# Altium PCB Minion.PcbDoc (part 10 of 10)
Units mm, origin at the board's own origin, x right, y up, seen from the top; angles counter-clockwise.
Board outline 250 x 250 mm, 4 copper layers (Top Layer, Mid-Top Layer, Mid-Bottom Layer, Bottom Layer); 557 components, 153 nets, 5229 pads, 7984 vias.
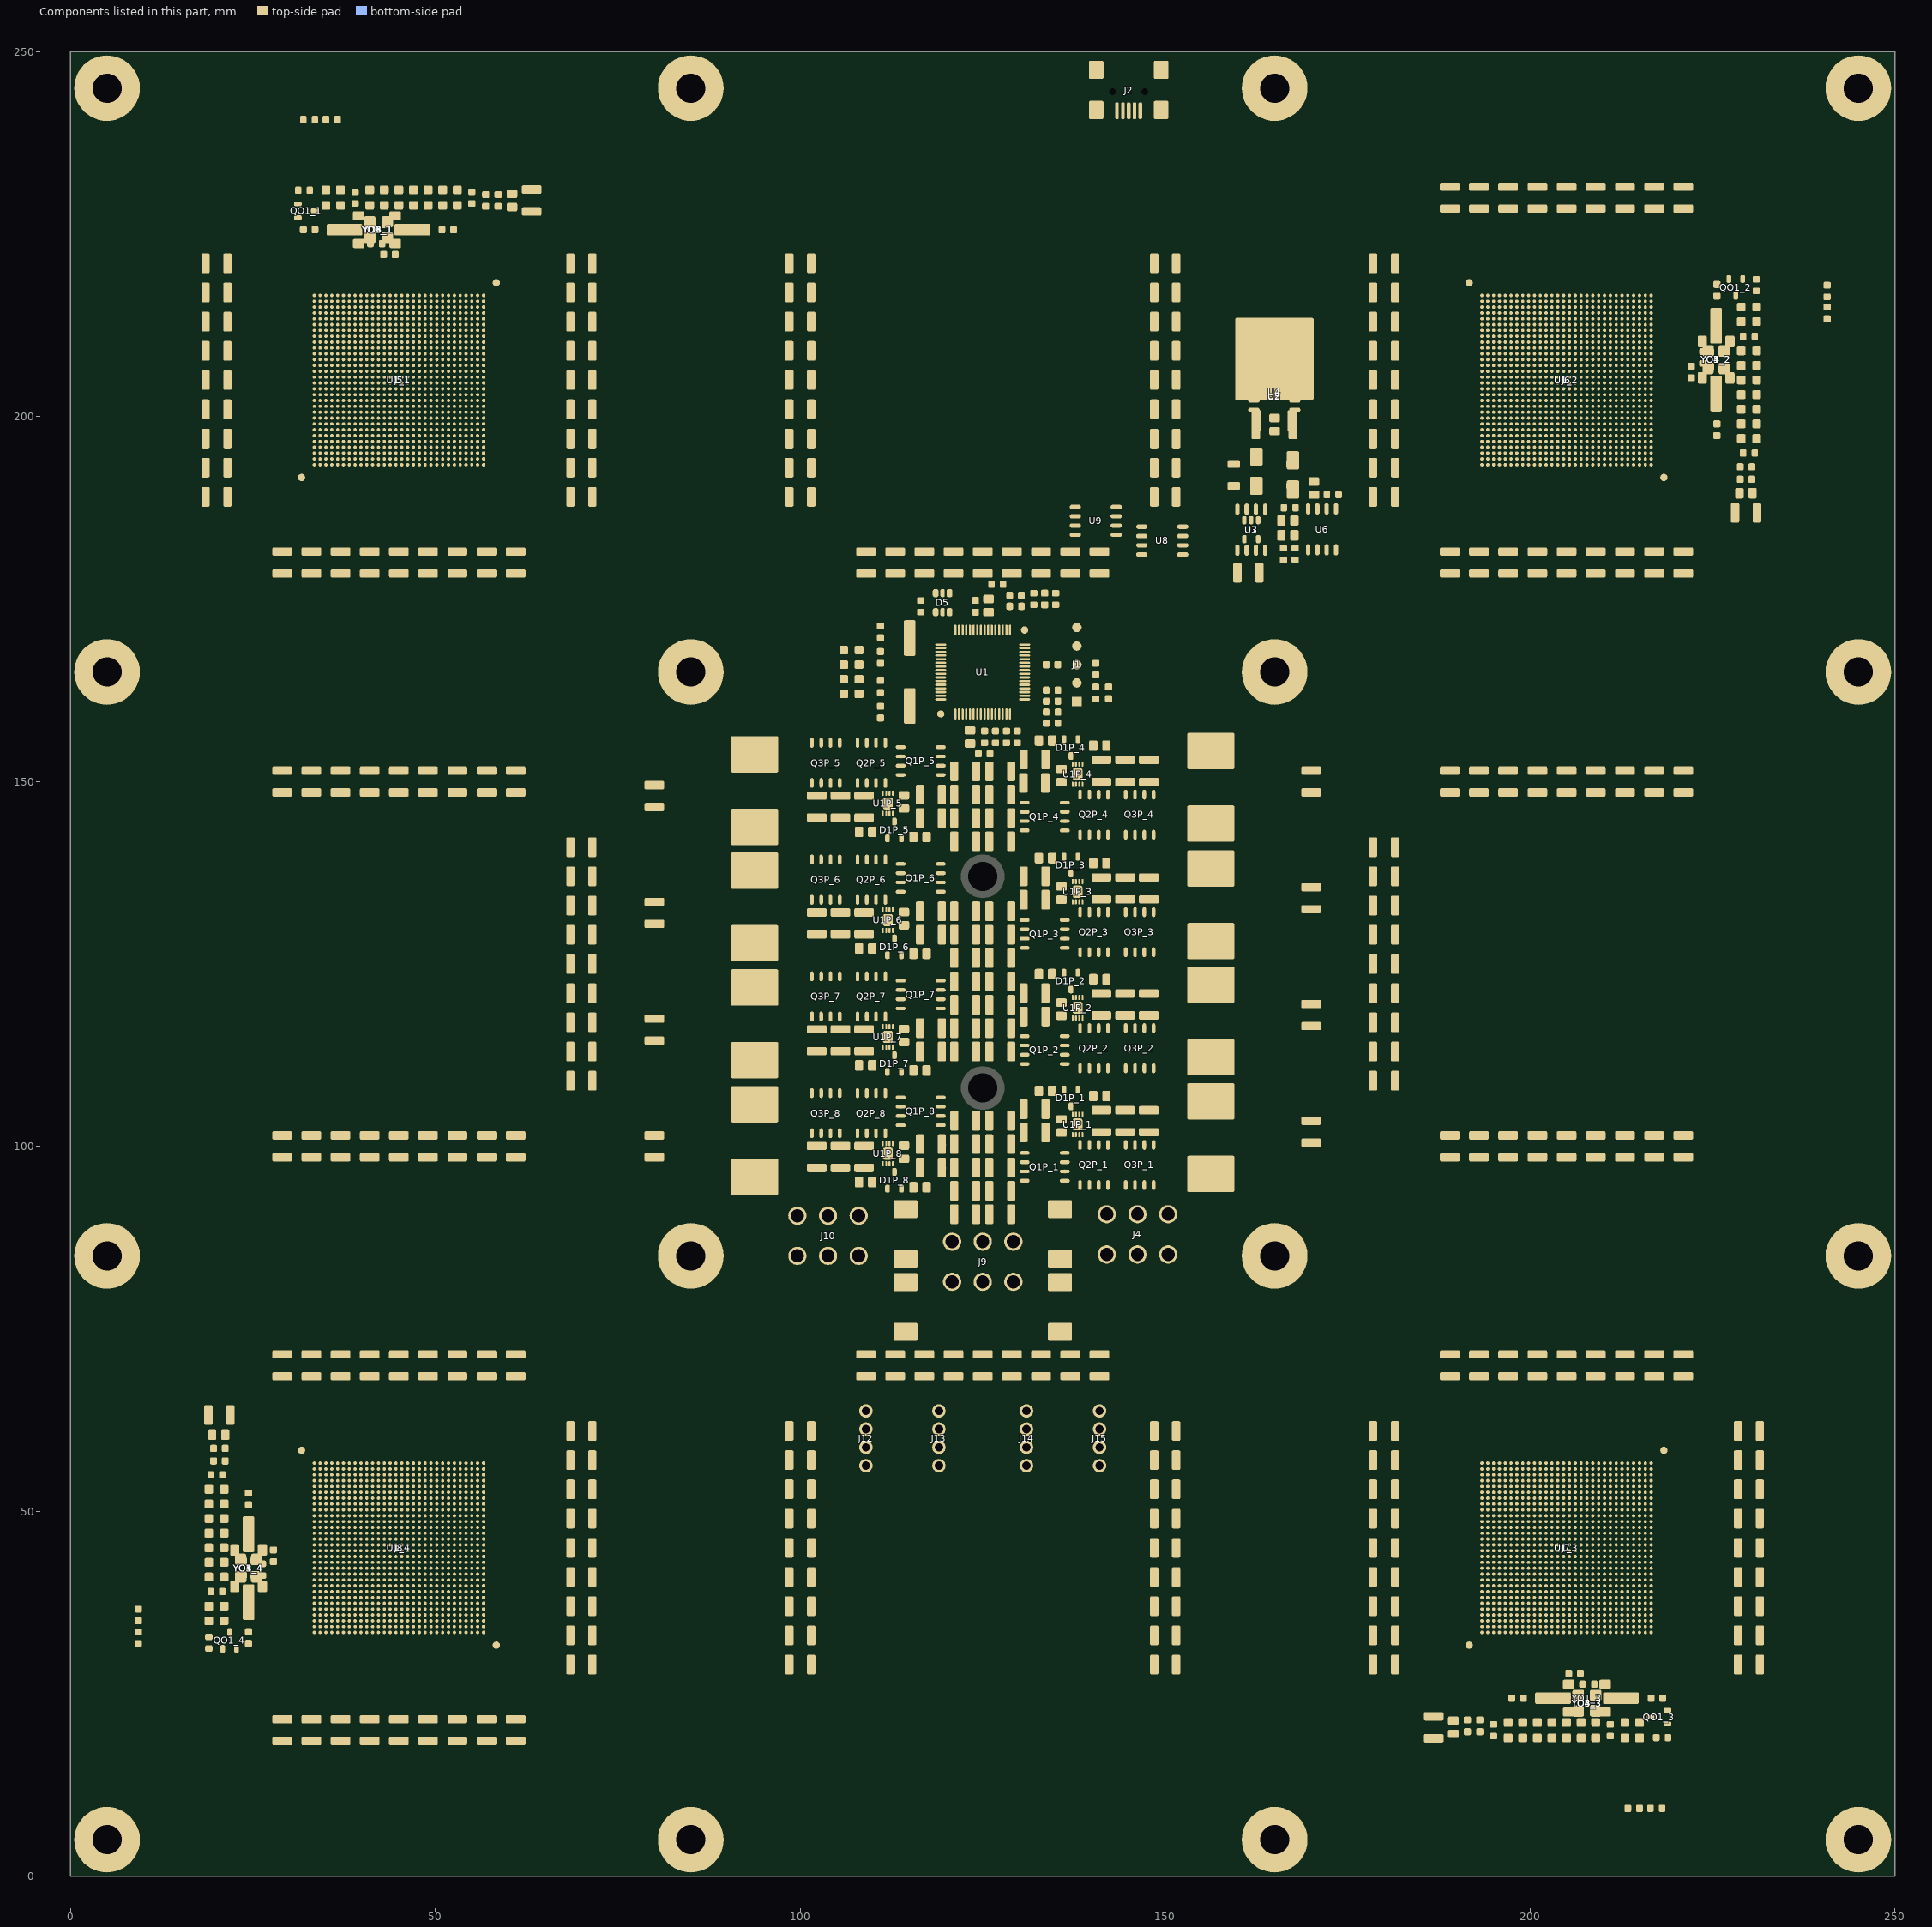
[diagram p12: the components of this part, seen from the top]

## Polygon pours and split planes (outlines as drawn) (continued)
SWN4 on Top Layer "SWN4 Top" (solid, remove dead copper, pour order 739): 159.5,141.7 159.5,146.7 135,146.7 135.008,146.693 135.008,141.7
0.8V on Top Layer "PS1 0.8V" (solid, remove dead copper, pour order 749): 159.95,151.15 159.95,156.65 145.95,156.65 143.45,154.15 139.7,154.15 139.7,151.4 139.95,151.15
GND on Top Layer "Top TVS_GND" (solid, remove dead copper, pour order 663): 107,70.5 107,76.5 143,76.5 143,70.5
12V on Top Layer "12VPS Top" (solid, remove dead copper, pour order 752): 115.3,108.35 115.3,95.4 120.3,95.4 120.3,100.7 120.3,101.85 120.3,108.35
12V on Top Layer "12VPS Top" (solid, remove dead copper, pour order 753): 134.732,93.653 134.732,106.603 129.732,106.603 129.732,101.303 129.732,100.153 129.732,93.653
12V on Top Layer "12VPS Top" (solid, remove dead copper, pour order 754): 115.268,124.347 115.268,111.397 120.268,111.397 120.268,116.697 120.268,117.847 120.268,124.347
no net on Top Layer "12VPS Top" (solid, remove dead copper, shelved, pour order 755): 115.3,140.35 115.3,127.4 120.3,127.4 120.3,132.7 120.3,133.85 120.3,140.35
no net on Top Layer "12VPS Top" (solid, remove dead copper, shelved, pour order 756): 115.268,156.347 115.268,143.397 120.268,143.397 120.268,148.697 120.268,149.847 120.268,156.347
12V on Top Layer "12VPS Top" (solid, remove dead copper, pour order 757): 134.7,141.65 134.7,154.6 129.7,154.6 129.7,149.3 129.7,148.15 129.7,141.65
no net on Top Layer "12VPS Top" (solid, remove dead copper, shelved, pour order 758): 134.7,109.65 134.7,122.6 129.7,122.6 129.7,117.3 129.7,116.15 129.7,109.65
no net on Top Layer "12VPS Top" (solid, remove dead copper, shelved, pour order 759): 134.7,125.55 134.7,138.5 129.7,138.5 129.7,133.2 129.7,132.05 129.7,125.55
12V on Top Layer "Top 12V" (solid, pour order 768): 115.1,156.5 122,156.5 122,154.5 123.5,153 127,153 129,153 134.5,153 134.5,93.5 151.75,93.5 151.75,81 99.5,81 99.5,89 109,89 110.5,93.5 115,93.5
0.8V on Top Layer "Top Layer-0.8V" (solid, remove dead copper, pour order 772): 0,0 0,250 250,250 250,0
GND on Top Layer "Top Layer-GND" (solid, pour order 778): 0,0 0,250 250,250 250,0
12V on Mid-Bottom Layer "12F1" (solid, remove dead copper, pour order 721): 115.3,140.329 115.317,140.35 119.8,140.35 119.8,133.2 115.3,133.2
SWN6 on Mid-Bottom Layer "SWN1 MidBottom" (solid, remove dead copper, pour order 713): 90.022,139.8 90.022,134.725 112.8,134.725 112.793,134.732 112.793,139.8
12V on Mid-Bottom Layer "12F1" (solid, remove dead copper, pour order 725): 115.3,156.18 115.318,156.2 120.226,156.2 120.226,149.2 115.3,149.2
SWN5 on Mid-Bottom Layer "SWN1 MidBottom" (solid, remove dead copper, pour order 717): 90.022,155.8 90.022,150.725 112.2,150.725 112.193,150.732 112.193,155.8
12V on Mid-Bottom Layer "12F1" (solid, remove dead copper, pour order 722): 115.4,108.329 115.416,108.35 119.8,108.35 119.8,101.2 115.4,101.2
SWN8 on Mid-Bottom Layer "SWN1 MidBottom" (solid, remove dead copper, pour order 714): 90.022,107.8 90.022,102.725 113.544,102.725 113.537,102.732 113.537,107.8
12V on Mid-Bottom Layer "12F1" (solid, remove dead copper, pour order 726): 115.3,124.18 115.318,124.2 120.226,124.2 120.226,117.2 115.3,117.2
SWN7 on Mid-Bottom Layer "SWN1 MidBottom" (solid, remove dead copper, pour order 718): 90.022,123.8 90.022,118.725 112.8,118.725 112.793,118.732 112.793,123.8
12V on Mid-Bottom Layer "12F1" (solid, remove dead copper, pour order 720): 134.9,125.82 134.881,125.8 129.773,125.8 129.773,132.7 134.9,132.7
12V on Mid-Bottom Layer "12F1" (solid, remove dead copper, pour order 724): 134.7,109.671 134.683,109.65 130.2,109.65 130.2,116.8 134.7,116.8
SWN3 on Mid-Bottom Layer "SWN1 MidBottom" (solid, remove dead copper, pour order 712): 159.978,126.2 159.978,131.175 136.456,131.175 136.463,131.168 136.463,126.2
SWN2 on Mid-Bottom Layer "SWN1 MidBottom" (solid, remove dead copper, pour order 716): 159.978,110.2 159.978,115.275 136.456,115.275 136.463,115.268 136.463,110.2
12V on Mid-Bottom Layer "12F1" (solid, remove dead copper, pour order 727): 134.7,93.82 134.682,93.8 129.773,93.8 129.773,100.8 134.7,100.8
SWN1 on Mid-Bottom Layer "SWN1 MidBottom" (solid, remove dead copper, pour order 719): 159.978,94.2 159.978,99.275 136.456,99.275 136.463,99.268 136.463,94.2
12V on Mid-Bottom Layer "12F1" (solid, remove dead copper, pour order 723): 134.6,141.671 134.584,141.65 130.2,141.65 130.2,148.8 134.6,148.8
SWN4 on Mid-Bottom Layer "SWN1 MidBottom" (solid, remove dead copper, pour order 715): 159.978,142.2 159.978,147.275 137.201,147.275 137.207,147.268 137.207,142.2
0.8V on Mid-Bottom Layer "MidBottom Layer-0.8" (solid, pour order 770): 0,0 0,250 250,250 250,0
GND on Mid-Bottom Layer "Top PS_GND" (solid, remove dead copper, pour order 760): 149.8,147.8 149.8,149.4 139,149.4 139,147.8
GND on Mid-Bottom Layer "Top PS_GND" (solid, remove dead copper, pour order 761): 149.8,131.7 149.8,133.3 139,133.3 139,131.7
GND on Mid-Bottom Layer "Top PS_GND" (solid, remove dead copper, pour order 762): 149.8,115.8 149.8,117.4 139,117.4 139,115.8
GND on Mid-Bottom Layer "Top PS_GND" (solid, remove dead copper, pour order 763): 149.8,99.8 149.8,101.4 139,101.4 139,99.8
GND on Mid-Bottom Layer "Top PS_GND" (solid, remove dead copper, pour order 764): 110.975,100.9 110.975,102.5 100.175,102.5 100.175,100.9
GND on Mid-Bottom Layer "Top PS_GND" (solid, remove dead copper, pour order 765): 110.975,116.9 110.975,118.5 100.175,118.5 100.175,116.9
GND on Mid-Bottom Layer "Top PS_GND" (solid, remove dead copper, pour order 766): 111.125,132.925 111.125,134.525 100.325,134.525 100.325,132.925
GND on Mid-Bottom Layer "Top PS_GND" (solid, remove dead copper, pour order 767): 110.975,148.9 110.975,150.5 100.175,150.5 100.175,148.9

## Keep-outs
Keep-Out Layer:
  the board outline again, w0.254

## Other copper
Top Layer:
  region net HO8: 112.6,100.075 112.8,100.075 113.25,100.525 113.25,100.65 113.675,101.075 113.675,101.95 114.4,102.675 114.4,102.875 113.075,102.875 112.775,102.575 112.775,100.925 112.6,100.75
  region net GND: 111.45,114.25 110.5,114.25 110.45,117.95 111.025,117.95 111.175,117.725 111.175,116.925 111.45,116.65
  region net SWN7: 112.125,116.45 112.35,116.45 112.35,116.825 112.55,117.025 112.55,117.925 112.125,117.925
  region net LO7: 111.875,116.45 111.675,116.45 111.675,116.825 111.475,117.025 111.45,117.925 111.875,117.925
  region net HO7: 112.6,116.1 112.8,116.1 113.25,116.55 113.25,116.675 113.675,117.1 113.675,117.975 114.4,118.7 114.4,118.9 113.075,118.9 112.775,118.6 112.775,116.95 112.6,116.775
  region net BOOT7: 112.6,113.9 112.8,113.9 113.1,113.6 113.1,112.3 112.6,112.3
  region net BOOT8: 112.6,97.9 112.8,97.9 113.1,97.6 113.1,96.3 112.6,96.3
  region net HO8: 112.6,100.1 112.8,100.1 113.1,100.4 113.1,101.7 112.8,101.7 112.8,100.9 112.6,100.7
  region net LO8: 111.875,100.45 111.675,100.45 111.675,100.825 111.475,101.025 111.45,101.925 111.875,101.925
  region net SWN8: 112.125,100.45 112.325,100.45 112.325,100.825 112.55,101.05 112.55,101.925 112.125,101.925
  region net GND: 111.45,98.25 110.5,98.25 110.45,101.95 111.025,101.95 111.175,101.725 111.175,100.925 111.45,100.65
  region net HO6: 112.6,132.075 112.8,132.075 113.25,132.525 113.25,132.65 113.675,133.075 113.675,133.95 114.4,134.675 114.4,134.875 113.075,134.875 112.775,134.575 112.775,132.925 112.6,132.75
  region net GND: 111.45,146.25 110.5,146.25 110.45,149.95 111.025,149.95 111.175,149.725 111.175,148.925 111.45,148.65
  region net SWN5: 112.125,148.45 112.35,148.45 112.35,148.825 112.55,149.025 112.55,149.925 112.125,149.925
  region net LO5: 111.875,148.45 111.675,148.45 111.675,148.825 111.475,149.025 111.45,149.925 111.875,149.925
  region net HO5: 112.6,148.1 112.8,148.1 113.25,148.55 113.25,148.675 113.675,149.1 113.675,149.975 114.4,150.7 114.4,150.9 113.075,150.9 112.775,150.6 112.775,148.95 112.6,148.775
  region net BOOT5: 112.6,145.9 112.8,145.9 113.1,145.6 113.1,144.3 112.6,144.3
  region net BOOT6: 112.6,129.9 112.8,129.9 113.1,129.6 113.1,128.3 112.6,128.3
  region net HO6: 112.6,132.1 112.8,132.1 113.1,132.4 113.1,133.7 112.8,133.7 112.8,132.9 112.6,132.7
  region net LO6: 111.875,132.45 111.675,132.45 111.675,132.825 111.475,133.025 111.45,133.925 111.875,133.925
  region net SWN6: 112.125,132.45 112.325,132.45 112.325,132.825 112.55,133.05 112.55,133.925 112.125,133.925
  region net GND: 111.45,130.25 110.5,130.25 110.45,133.95 111.025,133.95 111.175,133.725 111.175,132.925 111.45,132.65
  region net GND: 138.55,135.65 139.5,135.65 139.55,131.95 138.975,131.95 138.825,132.175 138.825,132.975 138.55,133.25
  region net SWN3: 137.875,133.45 137.675,133.45 137.675,133.075 137.45,132.85 137.45,131.975 137.875,131.975
  region net LO3: 138.125,133.45 138.325,133.45 138.325,133.075 138.525,132.875 138.55,131.975 138.125,131.975
  region net HO3: 137.4,133.8 137.2,133.8 136.9,133.5 136.9,132.2 137.2,132.2 137.2,133 137.4,133.2
  region net BOOT3: 137.4,136 137.2,136 136.9,136.3 136.9,137.6 137.4,137.6
  region net GND: 138.55,119.75 139.5,119.75 139.55,116.05 138.975,116.05 138.825,116.275 138.825,117.075 138.55,117.35
  region net SWN2: 137.875,117.55 137.675,117.55 137.675,117.175 137.45,116.95 137.45,116.075 137.875,116.075
  region net LO2: 138.125,117.55 138.325,117.55 138.325,117.175 138.525,116.975 138.55,116.075 138.125,116.075
  region net HO2: 137.4,117.9 137.2,117.9 136.9,117.6 136.9,116.3 137.2,116.3 137.2,117.1 137.4,117.3
  region net BOOT2: 137.4,120.1 137.2,120.1 136.9,120.4 136.9,121.7 137.4,121.7
  region net BOOT1: 137.4,104.1 137.2,104.1 136.9,104.4 136.9,105.7 137.4,105.7
  region net HO1: 137.4,101.9 137.2,101.9 136.75,101.45 136.75,101.325 136.325,100.9 136.325,100.025 135.6,99.3 135.6,99.1 136.925,99.1 137.225,99.4 137.225,101.05 137.4,101.225
  region net LO1: 138.125,101.55 138.325,101.55 138.325,101.175 138.525,100.975 138.55,100.075 138.125,100.075
  region net SWN1: 137.875,101.55 137.65,101.55 137.65,101.175 137.45,100.975 137.45,100.075 137.875,100.075
  region net GND: 138.55,103.75 139.5,103.75 139.55,100.05 138.975,100.05 138.825,100.275 138.825,101.075 138.55,101.35
  region net HO2: 137.4,117.925 137.2,117.925 136.75,117.475 136.75,117.35 136.325,116.925 136.325,116.05 135.6,115.325 135.6,115.125 136.925,115.125 137.225,115.425 137.225,117.075 137.4,117.25
  region net HO3: 137.4,133.825 137.2,133.825 136.75,133.375 136.75,133.25 136.325,132.825 136.325,131.95 135.6,131.225 135.6,131.025 136.925,131.025 137.225,131.325 137.225,132.975 137.4,133.15
  region net HO4: 137.401,149.925 137.201,149.925 136.751,149.475 136.751,149.35 136.326,148.925 136.326,148.05 135.601,147.325 135.601,147.125 136.926,147.125 137.226,147.425 137.226,149.075 137.401,149.25
  region net BOOT4: 137.4,152.1 137.2,152.1 136.9,152.4 136.9,153.7 137.4,153.7
  region net HO4: 137.4,149.9 137.2,149.9 136.9,149.6 136.9,148.3 137.2,148.3 137.2,149.1 137.4,149.3
  region net LO4: 138.125,149.55 138.325,149.55 138.325,149.175 138.525,148.975 138.55,148.075 138.125,148.075
  region net SWN4: 137.875,149.55 137.675,149.55 137.675,149.175 137.45,148.95 137.45,148.075 137.875,148.075
  region net GND: 138.55,151.75 139.5,151.75 139.55,148.05 138.975,148.05 138.825,148.275 138.825,149.075 138.55,149.35

## Silkscreen, mask and mechanical layers (free items; w line width, h text height)
Top Overlay:
  drawing of 182 lines, arcs and shapes, not listed
  text "5 (mm)" at 82.155,171.426 h1.52 r315
  text "5 (mm)" at 162.155,171.426 h1.52 r315
  text "5 (mm)" at 78.574,162.155 h1.52 r45
  text "5 (mm)" at 158.574,162.155 h1.52 r45
  text "5 (mm)" at 77.121,159.321 h1.52 r315
  text "5 (mm)" at 170.679,157.121 h1.52 r45
  text "5 (mm)" at 162.155,91.426 h1.52 r315
  text "5 (mm)" at 78.574,82.155 h1.52 r45
  text "5 (mm)" at 77.121,79.321 h1.52 r315
  text "5 (mm)" at 157.121,79.321 h1.52 r315
  text "5 (mm)" at 90.679,77.121 h1.52 r45
  text "5 (mm)" at 170.679,77.121 h1.52 r45

## Dimensions
45,204.5 to 205,204.5 on Top Overlay
0,250 to 250,250 on Top Overlay
0,0 to 0,250 on Top Overlay
45.5,205 to 0,250 on Top Overlay
45.5,45 to 0,0 on Top Overlay
45,204.5 to 0,250 on Top Overlay
205,204.5 to 250,250 on Top Overlay
85,165 to 165,165 on Top Overlay
85,165 to 85,85 on Top Overlay
85,165 to 5,165 on Top Overlay
5,245 to 5,165 on Top Overlay

## Text inside footprints (layer, text, board x,y; h text height)
J2: Top Assy "5" at 143.517,243.9 h0.5 r180; Top Assy "1" at 146.66,243.9 h0.5 r180
J12: Top Assy "1" at 109.3,55.14 h0.5 r90; Top Assy "4" at 109.3,64.521 h0.5 r90
J13: Top Assy "1" at 119.3,55.14 h0.5 r90; Top Assy "4" at 119.3,64.521 h0.5 r90
J14: Top Assy "1" at 131.3,55.14 h0.5 r90; Top Assy "4" at 131.3,64.521 h0.5 r90
J15: Top Assy "1" at 141.3,55.14 h0.5 r90; Top Assy "4" at 141.3,64.521 h0.5 r90